# Allegro board BeagleBone-AI.brd (continued)
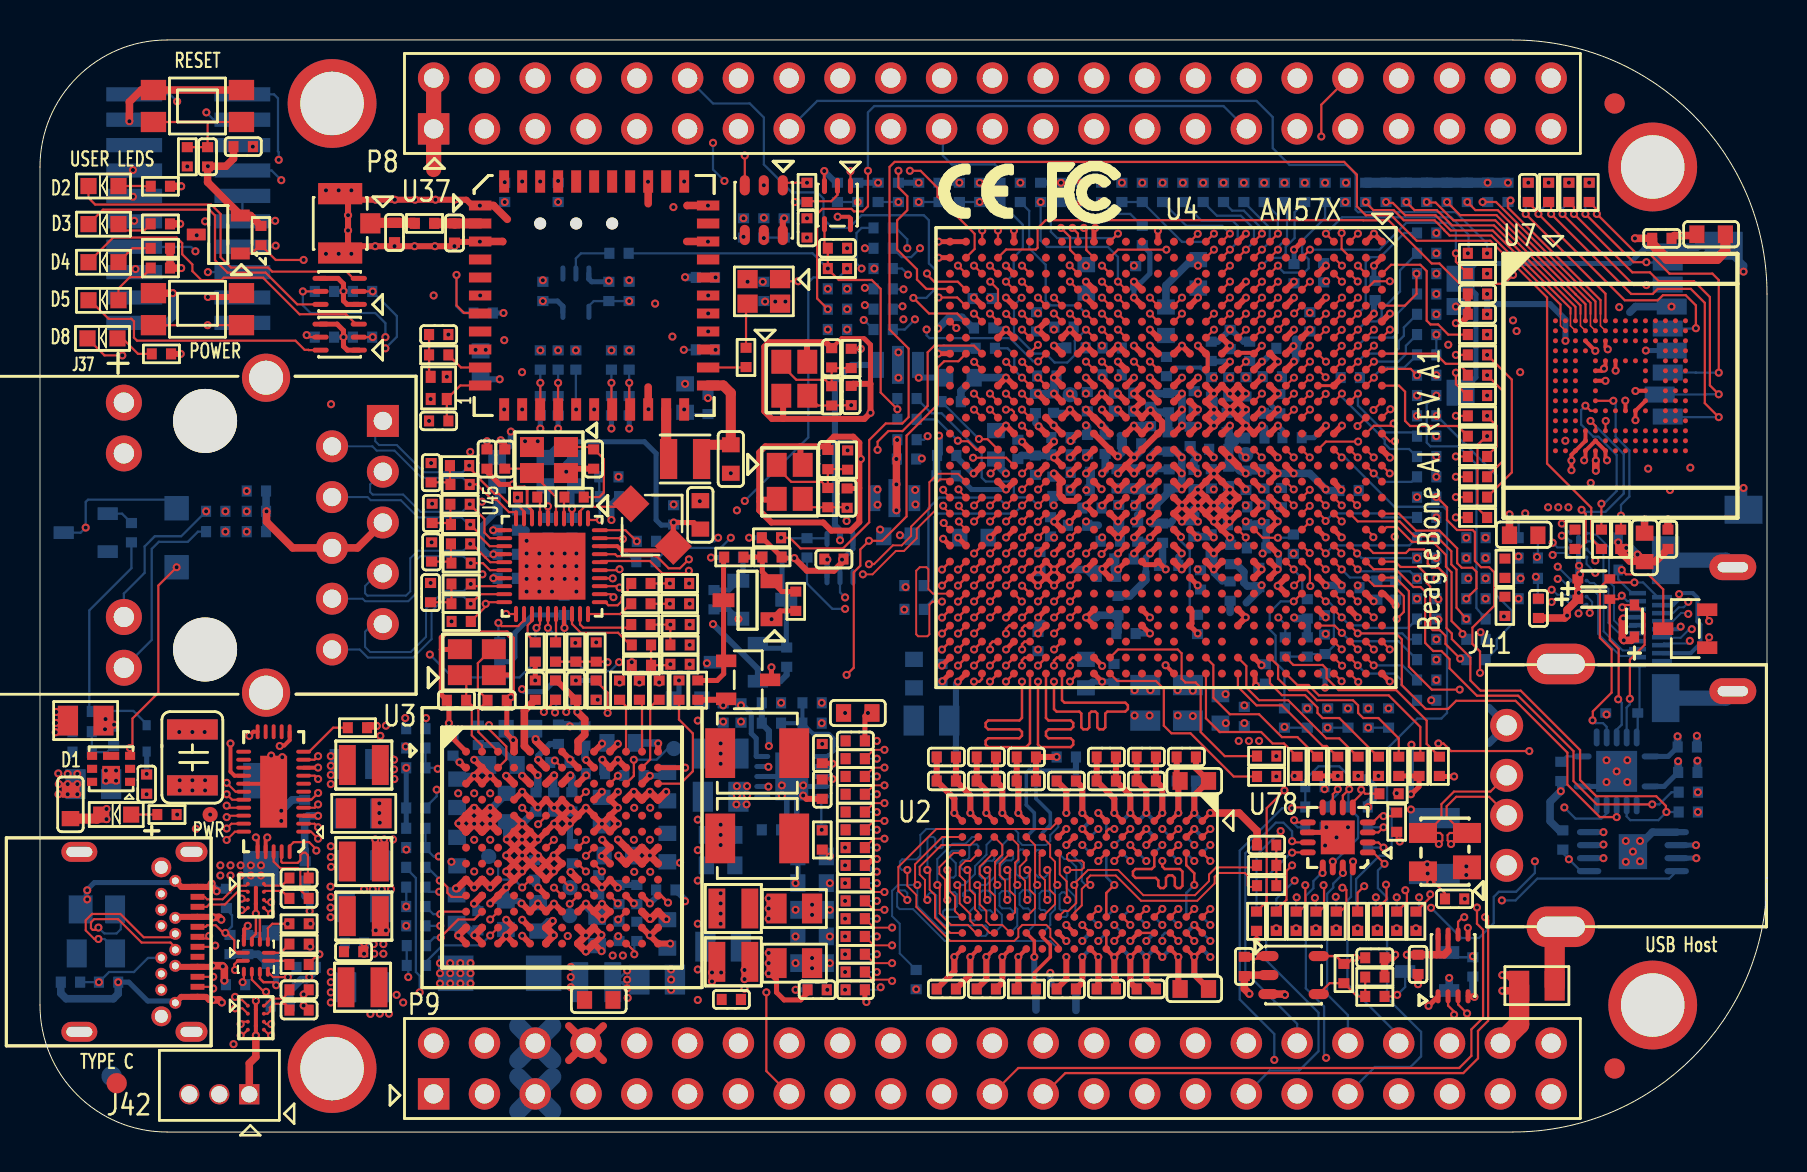
[diagram p0: board, top side]
## Footprints (pads in the part's own frame, mm; a bottom-side part is the same pattern mirrored in y, then rotated) (continued)
C0402
  rect 0.508x0.559 smd: 1(-0.483,0) 2(0.483,0)
C0603
  rect 0.762x0.889 smd: 1(-0.711,0) 2(0.711,0)
C0805
  rect 1.016x1.499 smd: 1(-0.889,0) 2(0.889,0)
C1210
  rect 1.016x2.54 smd: 1(-1.397,0) 2(1.397,0)
CON3B35X60
  rect 1.016x1.016 hole 0.813: 1(-1.5,0.45)
  round 1.016 hole 0.813: 2(0,0.45) 3(1.5,0.45)
D0402
  rect 0.508x0.559 smd: 1(-0.483,0) 2(0.483,0)
D0603
  rect 0.813x0.813 smd: 1(-0.75,0) 2(0.75,0)
D_SMA
  rect 1.778x1.778 smd: 1(-2.2,0) 2(2.2,0)
DFN6_2FN
  rect 0.508x0.406 smd: 1(-0.95,0.65) 2(-0.95,0) 3(-0.95,-0.65) 4(0.95,-0.65) 5(0.95,0) 6(0.95,0.65)
  rect 0.889x0.889 smd: 7(0,0.294)
  rect 0.813x0.406 smd: 8(0,-0.65)
FD40
  round 1.016 smd: 1(0,0)
FL0805
  rect 0.6x1.3 smd: 1(-1,0) 3(1,0)
  rect 0.6x1.9 smd: 2(0,0)
H2X23MZ
  rect 1.575x1.575 hole 0.965: 1(-27.94,-1.27)
  round 1.575 hole 0.965: 2(-27.94,1.27) 3(-25.4,-1.27) 4(-25.4,1.27) 5(-22.86,-1.27) 6(-22.86,1.27) 7(-20.32,-1.27) 8(-20.32,1.27) 9(-17.78,-1.27) 10(-17.78,1.27) 11(-15.24,-1.27) 12(-15.24,1.27) 13(-12.7,-1.27) 14(-12.7,1.27) 15(-10.16,-1.27) 16(-10.16,1.27) 17(-7.62,-1.27) 18(-7.62,1.27) 19(-5.08,-1.27) 20(-5.08,1.27) 21(-2.54,-1.27) 22(-2.54,1.27) 23(0,-1.27) 24(0,1.27) 25(2.54,-1.27) 26(2.54,1.27) 27(5.08,-1.27) 28(5.08,1.27) 29(7.62,-1.27) 30(7.62,1.27) 31(10.16,-1.27) 32(10.16,1.27) 33(12.7,-1.27) 34(12.7,1.27) 35(15.24,-1.27) 36(15.24,1.27) 37(17.78,-1.27) 38(17.78,1.27) 39(20.32,-1.27) 40(20.32,1.27) 41(22.86,-1.27) 42(22.86,1.27) 43(25.4,-1.27) 44(25.4,1.27) 45(27.94,-1.27) 46(27.94,1.27)
HDMIS19_4P4
  rect 0.23x0.85 smd: 1(1.8,4.765) 3(1.4,4.765) 5(1,4.765) 7(0.6,4.765) 9(0.2,4.765) 11(-0.2,4.765) 13(-0.6,4.765) 15(-1,4.765) 17(-1.4,4.765) 19(-1.8,4.765)
  rect 0.23x1 smd: 2(1.6,3.54) 4(1.2,3.54) 6(0.8,3.54) 8(0.4,3.54) 10(0,3.54) 12(-0.4,3.54) 14(-0.8,3.54) 16(-1.2,3.54) 18(-1.6,3.54)
  oval 1.3x2.35 hole 0.508x1.52: 20(3.1,0) 21(-3.1,0)
  rect 2.4x1.38 smd: 22(3.45,3.36) 23(-3.45,3.36)
HEADER10X2_SMD
  rect 0.711x2.794 smd: 1(-5.715,-2.705) 2(-5.715,2.705) 3(-4.445,-2.705) 4(-4.445,2.705) 5(-3.175,-2.705) 6(-3.175,2.705) 7(-1.905,-2.705) 8(-1.905,2.705) 9(-0.635,-2.705) 10(-0.635,2.705) 11(0.635,-2.705) 12(0.635,2.705) 13(1.905,-2.705) 14(1.905,2.705) 15(3.175,-2.705) 16(3.175,2.705) 17(4.445,-2.705) 18(4.445,2.705) 19(5.715,-2.705) 20(5.715,2.705)
INDPW250X200X105N
  rect 0.85x2 smd: 1(-0.825,0) 2(0.825,0)
L25X20
  rect 0.864x2.007 smd: 1(-0.825,0) 2(0.825,0)
L30X30_A
  rect 1.321x1.321 smd rot 135: 1(-1.061,1.061) 2(1.061,-1.061)
L40X40_B
  rect 1.499x2.489 smd: 1(-1.85,0) 2(1.85,0)
L0402
  rect 0.508x0.559 smd: 1(-0.483,0) 2(0.483,0)
L0603
  rect 0.762x0.889 smd: 1(-0.711,0) 2(0.711,0)
MTGH200C125D_PL
  round 4.445 hole 3.175: 1(0,0)
OSCCC250X200X60-4N
  rect 1.2x1 smd: 1(-0.85,-0.65) 2(0.85,-0.65) 3(0.85,0.65) 4(-0.85,0.65)
QFN40_1P4H
  oval 0.813x0.203 smd: 1(-2.394,1.8) 2(-2.394,1.4) 3(-2.394,1) 4(-2.394,0.6) 5(-2.394,0.2) 6(-2.394,-0.2) 7(-2.394,-0.6) 8(-2.394,-1) 9(-2.394,-1.4) 10(-2.394,-1.8) 21(2.394,-1.8) 22(2.394,-1.4) 23(2.394,-1) 24(2.394,-0.6) 25(2.394,-0.2) 26(2.394,0.2) 27(2.394,0.6) 28(2.394,1) 29(2.394,1.4) 30(2.394,1.8)
  oval 0.203x0.813 smd: 11(-1.8,-2.394) 12(-1.4,-2.394) 13(-1,-2.394) 14(-0.6,-2.394) 15(-0.2,-2.394) 16(0.2,-2.394) 17(0.6,-2.394) 18(1,-2.394) 19(1.4,-2.394) 20(1.8,-2.394) 31(1.8,2.394) 32(1.4,2.394) 33(1,2.394) 34(0.6,2.394) 35(0.2,2.394) 36(-0.2,2.394) 37(-0.6,2.394) 38(-1,2.394) 39(-1.4,2.394) 40(-1.8,2.394)
  rect 3.353x3.353 smd: 41(0,0)
QFN40P300X600X80-33N
  oval 0.75x0.2 smd: 1(-1.5,2) 2(-1.5,1.6) 3(-1.5,1.2) 4(-1.5,0.8) 5(-1.5,0.4) 6(-1.5,0) 7(-1.5,-0.4) 8(-1.5,-0.8) 9(-1.5,-1.2) 10(-1.5,-1.6) 11(-1.5,-2) 17(1.5,-2) 18(1.5,-1.6) 19(1.5,-1.2) 20(1.5,-0.8) 21(1.5,-0.4) 22(1.5,0) 23(1.5,0.4) 24(1.5,0.8) 25(1.5,1.2) 26(1.5,1.6) 27(1.5,2)
  oval 0.2x0.75 smd: 12(-0.8,-3) 13(-0.4,-3) 14(0,-3) 15(0.4,-3) 16(0.8,-3) 28(0.8,3) 29(0.4,3) 30(0,3) 31(-0.4,3) 32(-0.8,3)
  rect 1.35x3.6 smd: 33(0,0)
QFN50P300X300X100-17N
  oval 0.8x0.3 smd: 1(-1.5,0.75) 2(-1.5,0.25) 3(-1.5,-0.25) 4(-1.5,-0.75) 9(1.5,-0.75) 10(1.5,-0.25) 11(1.5,0.25) 12(1.5,0.75)
  oval 0.3x0.8 smd: 5(-0.75,-1.5) 6(-0.25,-1.5) 7(0.25,-1.5) 8(0.75,-1.5) 13(0.75,1.5) 14(0.25,1.5) 15(-0.25,1.5) 16(-0.75,1.5)
  rect 1.7x1.7 smd: 17(0,0)
QFN50P350X350X100-15N
  oval 0.9x0.3 smd: 1(-1.7,-0.75) 7(1.7,-0.75) 8(1.7,0.75) 14(-1.7,0.75)
  oval 0.3x0.9 smd: 2(-1,-1.7) 3(-0.5,-1.7) 4(0,-1.7) 5(0.5,-1.7) 6(1,-1.7) 9(1,1.7) 10(0.5,1.7) 11(0,1.7) 12(-0.5,1.7) 13(-1,1.7)
  rect 2.05x2.05 smd: 15(0,0)
R0402
  rect 0.508x0.559 smd: 1(-0.483,0) 2(0.483,0)
R0805
  rect 1.016x1.499 smd: 1(-0.889,0) 2(0.889,0)
RJ45_MTCONN_JTRJ45-4118NLF
  round 3.2 hole 3.2 unplated: (-5.715,0.1) (5.715,0.1)
  rect 1.6x1.6 hole 0.914: 1(-5.715,8.99)
  round 1.6 hole 0.914: 2(-4.445,6.45) 3(-3.175,8.99) 4(-1.905,6.45) 5(-0.635,8.99) 6(0.635,6.45) 7(1.905,8.99) 8(3.175,6.45) 9(4.445,8.99) 10(5.715,6.45)
  round 1.803 hole 1.016: 11(-6.63,-3.96) 12(-4.09,-3.96) 13(4.09,-3.96) 14(6.63,-3.96)
  round 2.413 hole 1.702: 15(-7.875,3.15) 16(7.875,3.15)
SC70_5
  oval 0.813x0.254 smd: 1(-0.956,0.65) 2(-0.956,0) 3(-0.956,-0.65) 4(0.956,-0.65) 5(0.956,0.65)
SD_HSF-COMPLIANT_MCTF-0606
  rect 0.8x1.5 smd: 1(-1.94,3.138) 2(-0.84,2.738) 3(0.26,3.138) 4(1.36,3.338) 5(2.46,3.138) 6(3.56,3.338) 7(4.66,3.138) 8(5.76,3.138)
  rect 0.85x1 smd: 9(3.56,-7.422)
  rect 1.4x1.9 smd: 10(-6.6,6.927) 11(6.6,5.938)
  rect 1.3x1.4 smd: 12(-0.75,-7.222) 13(4.95,-7.222)
SOD123_A
  rect 1.219x1.219 smd: 1(-1.475,0) 2(1.475,0)
SOD523
  rect 0.508x0.406 smd: 1(-0.66,0) 2(0.66,0)
SODFL1608X70N
  rect 0.55x0.47 smd: 1(-0.8,0) 2(0.8,0)
SOP8_1FH
  oval 1.219x0.305 smd: 1(-2.19,0.975) 2(-2.19,0.325) 3(-2.19,-0.325) 4(-2.19,-0.975) 5(2.19,-0.975) 6(2.19,-0.325) 7(2.19,0.325) 8(2.19,0.975)
  rect 1.422x1.753 smd: 9(0,0)
SOT23_5
  oval 1.016x0.508 smd: 1(-1.258,0.95) 2(-1.258,0) 3(-1.258,-0.95) 4(1.258,-0.95) 5(1.258,0.95)
SOT23_6
  oval 1.016x0.508 smd: 1(-1.242,0.95) 2(-1.242,0) 3(-1.242,-0.95) 4(1.242,-0.95) 5(1.242,0) 6(1.242,0.95)
SOT23_123
  rect 0.635x1.016 smd: 1(-0.95,-1.1) 2(0.95,-1.1) 3(0,1.1)
SOT95P240X111-3N
  rect 0.95x0.6 smd: 1(-1.1,0.95) 2(-1.1,-0.95) 3(1.1,0)
SOT95P240X120-3N
  rect 1.1x0.7 smd: 1(-1.2,0.95) 2(-1.2,-0.95) 3(1.2,0)
SOT143_190P240X115-4N
  rect 1.2x1.4 smd: 1(-0.76,-1.1)
  rect 1x1.4 smd: 2(0.96,-1.1) 3(0.96,1.1) 4(-0.96,1.1)
SOT363_6
  oval 0.813x0.254 smd: 1(-0.956,0.65) 2(-0.956,0) 3(-0.956,-0.65) 4(0.956,-0.65) 5(0.956,0) 6(0.956,0.65)
SWS4B46X28
  rect 1.27x1.016 smd: 1(-2.2,-0.8) 2(-2.2,0.8) 3(2.2,-0.8) 4(2.2,0.8)
TP30
  round 0.762 smd: 1(0,0)
unnamed#2
  round 1.016 smd: 1(0,0)
USB_A_SH
  round 1.651 hole 1.016: 1(-3.5,2.71) 2(-1.001,2.71) 3(1.001,2.71) 4(3.5,2.71)
  oval 2.032x3.429 hole 1.016x2.413: 5(-6.571,0) 6(6.571,0)
USB_MTCONN_UBF31-0170
  round 1 hole 0.65: (-3.725,-1.81) (3.725,-1.81)
  oval 1x1.6 hole 0.5x1.1: 1(-4.5,-0.3) 2(4.5,-0.3)
  oval 1x1.8 hole 0.5x1.3: 3(-4.5,-5.91) 4(4.5,-5.91)
  rect 0.3x0.7 smd: A1(-2.75,0) A2(-2.25,0) A3(-1.75,0) A4(-1.25,0) A5(-0.75,0) A6(-0.25,0) A7(0.25,0) A8(0.75,0) A9(1.25,0) A10(1.75,0) A11(2.25,0) A12(2.75,0)
  round 0.6 hole 0.35: B1(3.05,-1.11) B2(2.4,-1.81) B3(1.6,-1.81) B4(1.2,-1.11) B5(0.8,-1.81) B6(0.4,-1.11) B7(-0.4,-1.11) B8(-0.8,-1.81) B9(-1.2,-1.11) B10(-1.6,-1.81) B11(-2.4,-1.81) B12(-3.05,-1.11)
VSON50P300X300X100-11N
  oval 0.8x0.25 smd: 1(-1.475,1) 2(-1.475,0.5) 3(-1.475,0) 4(-1.475,-0.5) 5(-1.475,-1) 6(1.475,-1) 7(1.475,-0.5) 8(1.475,0) 9(1.475,0.5) 10(1.475,1)
  custom 1.65x3.8 smd: 11(0,0)
VSSOP8CR
  oval 0.711x0.254 smd: 1(-1.544,0.75) 2(-1.544,0.25) 3(-1.544,-0.25) 4(-1.544,-0.75) 5(1.544,-0.75) 6(1.544,-0.25) 7(1.544,0.25) 8(1.544,0.75)
WLBT90P1200X1200X160-47N
  round 0.6 hole 0.6 unplated: (-2.7,3.6) (-0.9,3.6) (0.9,3.6)
  rect 1.125x0.5 smd: 1(-5.7,4.5) 2(-5.7,3.6) 3(-5.7,2.7) 4(-5.7,1.8) 5(-5.7,0.9) 6(-5.7,0) 7(-5.7,-0.9) 8(-5.7,-1.8) 9(-5.7,-2.7) 10(-5.7,-3.6) 11(-5.7,-4.5) 23(5.7,-4.5) 24(5.7,-3.6) 25(5.7,-2.7) 26(5.7,-1.8) 27(5.7,-0.9) 28(5.7,0) 29(5.7,0.9) 30(5.7,1.8) 31(5.7,2.7) 32(5.7,3.6) 33(5.7,4.5)
  rect 0.5x1.125 smd: 12(-4.5,-5.7) 13(-3.6,-5.7) 14(-2.7,-5.7) 15(-1.8,-5.7) 16(-0.9,-5.7) 17(0,-5.7) 18(0.9,-5.7) 19(1.8,-5.7) 20(2.7,-5.7) 21(3.6,-5.7) 22(4.5,-5.7) 34(4.5,5.7) 35(3.6,5.7) 36(2.7,5.7) 37(1.8,5.7) 38(0.9,5.7) 39(0,5.7) 40(-0.9,5.7) 41(-1.8,5.7) 42(-2.7,5.7) 43(-3.6,5.7) 44(-4.5,5.7)
WLCSP10C40P3X4_117X157X60N
  round 0.2 smd: A1(-0.4,0.6) A2(-0.4,0.2) A3(-0.4,-0.2) A4(-0.4,-0.6) B1(0,0.4) B2(0,-0.4) C1(0.4,0.6) C2(0.4,0.2) C3(0.4,-0.2) C4(0.4,-0.6)
X2QFN40P160X160X40-12N
  oval 0.7x0.2 smd: 1(-0.65,0.2) 2(-0.65,-0.2) 7(0.65,-0.2) 8(0.65,0.2)
  oval 0.2x0.5 smd: 3(-0.6,-0.75) 4(-0.2,-0.75) 5(0.2,-0.75) 6(0.6,-0.75) 9(0.6,0.75) 10(0.2,0.75) 11(-0.2,0.75) 12(-0.6,0.75)
X4S16X12
  rect 0.61x0.508 smd: 1(-0.555,-0.404) 2(0.555,-0.404) 3(0.555,0.404) 4(-0.555,0.404)
X4S25X20
  rect 1.016x0.914 smd: 1(-0.812,-0.612) 2(0.812,-0.612) 3(0.812,0.612) 4(-0.812,0.612)

## Nets
1V8_PHY_HDMI: C116.1 C149.1 C159.1 FB6.2 U4.AA16(VDDA_PCIE1) U4.AA17(VDDA_PCIE0) U4.W14(VDDA_PCIE) U4.Y17(VDDA_HDMI)
1V8_PHY_LDO3: C121.1 FL1.1 U3.K11(LDO3_OUT)
1V8_PHY_LDO4: C117.1 FB6.1 U3.K12(LDO4_OUT)
1V8_PHY_SATA: C37.1 C163.1 C184.1 FL1.3 U4.AA13(VDDA_USB1) U4.AB12(VDDA_USB2) U4.V13(VDDA_SATA) U4.W12(VDDA_USB3)
1V8_PLL: C123.1 C157.1 FL2.1 U3.B5(LDOLN_OUT) U4.AD16(VDDA_OSC#AD16) U4.AE16(VDDA_OSC#AE16)
1V8_PLLA: C189.1 C199.1 C202.1 C207.1 C216.1 FL2.3 U4.M14(VDDA_ABE_PER) U4.N11(VDDA_DEBUG) U4.N12(VDDA_DSP_EVE) U4.N16(VDDA_MPU) U4.P14(VDDA_VIDEO) U4.P15(VDDA_GMAC_CORE) U4.P16(VDDA_DDR) U4.R14(VDDA_GPU) U4.R17(VDDA_IVA)
1V8_RTC: C38.1 R27.1 R150.1 R155.1 R157.2 U3.A8(LDOVRTC_OUT)
3V3_AVDD_MII0: C346.1 C347.1 FB2.2 U45.14(AVDD33)
3V3_SD: C151.1 C492.1 Q1.2(E) R8.1 R9.1 R418.1 R419.1 R420.1 R421.1 R422.1 R423.1 R424.1 U3.C6(LDO1_OUT) U4.W8(VDDSHV8#W8) U4.Y8(VDDSHV8#Y8)
3V3_USB: C134.1 C148.1 U3.B9(LDOUSB_OUT) U4.AA12(VDDA33V_USB1) U4.Y12(VDDA33V_USB2)
GND: C1.2 C2.2 C3.2 C4.2 C5.2 C6.2 C7.2 C8.2 C9.2 C10.2 C11.2 C12.2 C17.2 C18.2 C19.2 C20.2 C22.2 C23.2 C24.2 C25.2 C26.2 C35.2 C36.2 C37.2 C38.2 C39.2 C40.2 C41.2 C42.2 C43.2 C51.1 C52.1 C58.2 C68.2 C69.2 C79.2 C80.2 C81.1 C87.1 C88.2 C89.2 C90.2 C91.2 C92.2 C93.2 C94.2 C95.2 C96.2 C97.2 C98.2 C100.2 C101.2 C102.2 C103.2 C104.2 C105.2 C106.2 C107.2 C108.2 C109.2 C110.2 C111.2 C112.2 C113.2 C114.2 C115.2 C116.2 C117.2 C118.2 C119.2 C120.2 C121.2 C122.2 C123.2 C124.2 C125.2 C126.2 C127.2 C128.2 C130.2 C131.2 C132.2 C133.2 C134.2 C136.2 C138.2 C139.2 C140.2 C141.2 C144.2 C145.2 C146.2 C147.1 C148.2 C149.2 C151.2 C152.2 C153.2 C154.2 C155.2 C156.2 C157.2 C158.2 C159.2 C161.2 C162.2 C163.2 C164.2 C165.2 C166.2 C168.2 C169.2 C170.2 C171.2 C172.1 C174.2 C175.2 C176.2 C177.2 C178.2 C179.2 C180.2 C181.2 C182.2 C183.2 C184.2 C185.2 C186.2 C187.2 C188.2 C189.2 C190.2 C192.2 C193.2 C194.2 C195.2 C196.2 C197.2 C198.2 C199.2 C200.2 C201.2 C202.2 C203.2 C204.2 C205.2 C206.2 C207.2 C208.2 C209.2 C210.2 C211.2 C212.2 C213.2 C214.2 C215.2 C216.2 C217.2 C218.2 C220.2 C221.2 C222.2 C223.2 C224.2 C226.2 C227.2 C230.2 C231.2 C232.2 C233.2 C234.2 C235.2 C236.2 C237.2 C238.2 C242.2 C245.2 C254.2 C255.2 C256.2 C257.2 C258.2 C259.2 C260.2 C261.2 C262.2 C263.2 C264.2 C265.2 C266.2 C267.2 C268.2 C269.2 C270.2 C271.2 C272.2 C273.2 C274.2 C275.2 C276.2 C277.2 C278.2 C279.2 C281.2 C282.2 C283.1 C285.2 C286.2 C291.2 C292.2 C293.2 C294.2 C295.2 C296.2 C297.2 C298.2 C299.2 C300.2 C320.2 C321.2 C325.1 C326.2 C327.1 C334.2 C335.2 C336.2 C337.2 C338.2 C339.2 C340.2 C341.2 C342.2 C343.2 C344.2 C345.2 C346.2 C347.2 C348.2 C349.2 C350.2 C351.2 C352.2 C353.1 C439.2 C440.2 C441.2 C442.2 C456.2 C461.2 C462.2 C463.2 C464.2 C466.2 C472.2 C473.2 C480.2 C481.2 C482.2 C483.2 C488.2 C489.2 C490.2 C491.2 C492.2 C494.2 C495.2 C496.2 C497.2 C498.2 D1.2(C) D21.1 D22.1 D23.1 D24.1 D25.1 D46.1 D47.1 D76.1(A) D78.1(GND) D79.1(GND) FL1.2 FL2.2 J33.2(NC) J33.3(GND3) J41.4(P4) J42.A1(GND0) J42.A12(GND1) J42.B1(GND2) J42.B12(GND3) J90.6(VSS) J91.4(DAT2_S) J91.7(DAT1_S) J91.10(DAT0_S) J91.13(CLK_S) J91.16(DDC/CEC GND) J92.1 OSC1.2(GND) P2.4(TDIS) P2.8(GND1) P2.10(GND2) P2.12(GND3) P2.16(GND4) P2.20(GND5) P8.1 P8.2 P9.1 P9.2 P9.34 P9.43 P9.44 P9.45 P9.46 Q17.2(S) Q18.2(S) R1.2 R7.1 R10.1 R18.1 R19.1 R20.1 R22.2 R58.2 R88.2 R98.2 R99.2 R100.2 R101.2 R102.2 R103.1 R104.1 R107.1 R112.2 R113.1 R119.2 R121.1 R139.2 R147.1 R151.1 R182.1 R183.2 R189.2 R201.2 R387.2 R389.2 R390.2 R392.2 R413.1 R465.2 R467.2 R487.2 R488.1 R489.1 R490.1 R493.2 R533.2 R534.2 R537.2 R554.2 R571.2 R572.1 R596.2 R597.2 R598.2 R599.2 R600.2 R601.2 R602.2 R603.2 R604.2 R605.2 R606.2 R640.1 R657.2 R659.1 R661.2 R670.2 R676.2 R677.2 R678.2 R679.2 R690.2 R691.2 R699.2 R700.2 S1.1 S1.3 S3.1 S3.3 T1.1(S1) T1.4(S1) T2.1(S1) T2.4(S1) U1.4(PGND) U1.8(GND) U1.11(PWRPD) U2.A9(VSS1) U2.B1(VSSQ1) U2.B3(VSS2) U2.B9(VSSQ2) U2.D1(VSSQ3) U2.D8(VSSQ4) U2.E1(VSS3) U2.E2(VSSQ5) U2.E8(VSSQ6) U2.F9(VSSQ7) U2.G1(VSSQ8) U2.G8(VSS4) U2.G9(VSSQ9) U2.J2(VSS5) U2.J8(VSS6) U2.M1(VSS7) U2.M9(VSS8) U2.P1(VSS9) U2.P9(VSS10) U2.T1(VSS11) U2.T9(VSS12) U3.A1(PKG_GND_A1) U3.A4(REFGND1) U3.A7(GNDANA#A7) U3.A13(PKG_GND#A13) U3.B2(GPADC_IN0) U3.B8(SYNCDCDC) U3.B10(PKG_GND#B10) U3.B11(PKG_GND#B11) U3.C1(OSC16MCAP) U3.C2(GPADC_IN1) U3.C3(GPADC_IN2) U3.C12(SMPS12_FBK_GND) U3.D4(SMPS7_GND#D4) U3.D5(SMPS7_GND#D5) U3.D6(PKG_GND#D6) U3.D7(PKG_GND#D7) U3.D10(SMPS1_GND#D10) U3.E4(SMPS7_GND#E4) U3.E7(GNDANA#E7) U3.E8(PKG_GND#E8) U3.E9(SMPS1_GND#E9) U3.E10(SMPS1_GND#E10) U3.F4(SMPS4_GND#F4) U3.F5(GNDANA#F5) U3.F6(PKG_GND#F6) U3.F7(PKG_GND#F7) U3.F9(SMPS2_GND#F9) U3.F10(SMPS2_GND#F10) U3.G4(SMPS4_GND#G4) U3.G5(SMPS4_GND#G5) U3.G7(PKG_GND#G7) U3.G10(SMPS2_GND#G10) U3.H4(SMPS5_GND#H4) U3.H5(SMPS5_GND#H5) U3.H6(PKG_GND#H6) U3.H7(PKG_GND#H7) U3.H10(SMPS3_GND#H10) U3.J4(SMPS5_GND#J4) U3.J6(PKG_GND#J6) U3.J9(SMPS3_GND#J9) U3.J10(SMPS3_GND#J10) U3.K3(SMPS45_FDBK_GND) U3.L5(SMPS6_GND#L5) U3.L6(SMPS6_GND#L6) U3.L7(SMPS9_GND#L7) U3.L8(SMPS9_GND#L8) U3.L9(SMPS8_GND#L9) U3.L10(SMPS8_GND#L10) U3.M1(PKG_GND#M1) U3.M2(PKG_GND#M2) U3.M12(GNDDIG) U3.M13(GNDANA#M13) U3.N1(PKG_GND#N1) U3.N2(VIO_GND) U3.N13(PKG_GND#N13) U4.A1(VSS#A1) U4.A2(VSS#A2) U4.A6(VSS#A6) U4.A14(VSS#A14) U4.A23(VSS#A23) U4.A28(VSS#A28) U4.AA8(VSS#AA8) U4.AA9(VSS#AA9) U4.AA10(VSS#AA10) U4.AA11(VSSA_USB#AA11) U4.AA14(VSS#AA14) U4.AA15(VSS#AA15) U4.AA20(VSS#AA20) U4.AB11(VSSA_USB#AB11) U4.AB14(VSS#AB14) U4.AB20(VSS#AB20) U4.AD1(VSS#AD1) U4.AD10(VSSA_USB3) U4.AD13(VSSA_PCIE#AD13) U4.AD19(VSSA_HDMI#AD19) U4.AD24(VSS#AD24) U4.AE10(VSSA_SATA) U4.AE13(VSSA_PCIE#AE13) U4.AE19(VSSA_HDMI#AE19) U4.AG1(VSS#AG1) U4.AH1(VSS#AH1) U4.AH2(VSS#AH2) U4.AH8(VSS#AH8) U4.AH20(VSS#AH20) U4.AH28(VSS#AH28) U4.B1(VSS#B1) U4.D13(VSS#D13) U4.D19(VSS#D19) U4.E13(VSS#E13) U4.E19(VSS#E19) U4.F1(VSS#F1) U4.F7(VSS#F7) U4.G7(VSS#G7) U4.G8(VSS#G8) U4.G9(VSS#G9) U4.H12(VSS#H12) U4.J12(VSS#J12) U4.J15(VSS#J15) U4.J28(VSS#J28) U4.K1(VSS#K1) U4.K4(VSS#K4) U4.K5(VSS#K5) U4.K15(VSS#K15) U4.K24(VSS#K24) U4.K25(VSS#K25) U4.L13(VSS#L13) U4.L14(VSS#L14) U4.M19(VSS#M19) U4.N14(VSS#N14) U4.N15(VSS#N15) U4.N19(VSS#N19) U4.N24(VSS#N24) U4.N25(VSS#N25) U4.P28(VSS#P28) U4.R1(VSS#R1) U4.R12(VSS#R12) U4.R13(VSS#R13) U4.R15(VSS#R15) U4.R21(VSS#R21) U4.T10(VSS#T10) U4.T11(VSS#T11) U4.T12(VSS#T12) U4.T14(VSS#T14) U4.T15(VSS#T15) U4.T17(VSS#T17) U4.T18(VSS#T18) U4.T21(VSS#T21) U4.U14(VSSA_VIDEO) U4.U15(VSS#U15) U4.U17(VSS#U17) U4.U20(VSS#U20) U4.U21(VSS#U21) U4.V15(VSS#V15) U4.V17(VSS#V17) U4.W1(VSS#W1) U4.W15(VSS#W15) U4.W24(VSS#W24) U4.W25(VSS#W25) U4.W28(VSS#W28) U6.3(GND) U7.C4(VSSQ4) U7.E7(VSS2) U7.G5(VSS1) U7.H10(VSS3) U7.K8(VSS4) U7.N2(VSSQ1) U7.N5(VSS5) U7.P4(VSSQ3) U7.P6(VSSQ2) U8.3(GND) U10.2(GND) U11.A9(VSS1) U11.B1(VSSQ1) U11.B3(VSS2) U11.B9(VSSQ2) U11.D1(VSSQ3) U11.D8(VSSQ4) U11.E1(VSS3) U11.E2(VSSQ5) U11.E8(VSSQ6) U11.F9(VSSQ7) U11.G1(VSSQ8) U11.G8(VSS4) U11.G9(VSSQ9) U11.J2(VSS5) U11.J8(VSS6) U11.M1(VSS7) U11.M9(VSS8) U11.P1(VSS9) U11.P9(VSS10) U11.T1(VSS11) U11.T9(VSS12) U12.7(GND) U12.15(TP) U22.5(ADDR) U22.10(GND) U22.11(EN_N) U37.1(GND1) U37.3(GND2) U37.20(GND3) U37.31(GND4) U37.33(GND5) U37.36(GND6) U40.2(GND) U45.41(GND_PAD) U46.1(1\O\E\) U46.4(GND) U48.1(GND) U48.9(PAD) U72.21(GND1) U72.28(GND2) U72.33(GNDPAD) U78.10(GND) U78.17(GND_PAD) U88.B1(GND_CH1) U88.B2(GND_CH2) U89.B1(GND_CH1) U89.B2(GND_CH2) U90.3(GND) U91.B1(GND_CH1) U91.B2(GND_CH2) U92.B1(GND_CH1) U92.B2(GND_CH2) X4.2 X4.4 X6.2 X6.4 X9.2 X9.4
GND_EARTH: J37.15(GND#15) J37.16(GND#16) J41.5(SHELD1) J41.6(PAD4) J42.1(PGND0) J42.2(PGND1) J42.3(PGND2) J42.4(PGND3) J90.10(GND) J90.11(GND1) J90.12(GND2) J90.13(GND3) J91.20(MTG1) J91.21(MTG2) J91.22(MTG3) J91.23(MTG4) MH1.1 MH2.1 MH3.1 MH4.1 R640.2 R699.1
GND_OSC0: C13.2 C14.2 R7.2 U4.AF15(VSSA_OSC0) X7.2 X7.4
GND_OSC1: C15.2 C16.2 R10.2 U4.AC14(VSSA_OSC1) X8.2 X8.4
VDD_1V8: C136.1 C146.1 C152.1 C154.1 C165.1 C174.1 C198.1 C201.1 C210.1 C235.1 C299.1 D6.1(A) D7.1(A) Q1.3(C) Q4.3(C) R17.2 R91.2 R702.1 U3.B6(LDO2_OUT) U4.AA7(VDDS_MLBP#AA7) U4.AA18(VDDS18V_DDR1#AA18) U4.AA19(VDDS18V_DDR1#AA19) U4.AB13(VDDA_RTC) U4.G18(VDDS18V#G18) U4.H17(VDDS18V#H17) U4.J21(VDDS18V_DDR2#J21) U4.J22(VDDS18V_DDR2#J22) U4.M8(VDDS18V#M8) U4.M9(VDDS18V#M9) U4.N8(VDDS18V#N8) U4.N21(VDDS18V_DDR2#N21) U4.P8(VDDS18V#P8) U4.P20(VDDS18V_DDR2#P20) U4.P21(VDDS18V_DDR2#P21) U4.R8(VDDS18V#R8) U4.T8(VDDS18V#T8) U4.V21(VDDS18V#V21) U4.V22(VDDS18V#V22) U4.W17(VDDS18V#W17) U4.W18(VDDS18V#W18) U4.W21(VDDS18V_DDR1#W21) U4.Y7(VDDS_MLBP#Y7) U4.Y21(VDDS18V_DDR1#Y21)
VDD_3V3: C2.1 C79.1 C88.1 C122.1 C125.1 C130.1 C145.1 C155.1 C161.1 C186.1 C192.1 C208.1 C245.1 C259.1 C261.1 C269.1 C270.1 C271.1 C272.1 C278.1 C286.1 C300.1 C325.2 C344.1 C345.1 C353.2 C439.1 C440.1 C461.1 C472.1 C491.1 C494.1 C498.1 FB2.1 FB5.1 J90.4(VDD) L22.2 OSC1.4(VDD) P2.5(TVDD) P9.3 P9.4 Q4.2(E) R3.2 R4.2 R24.2 R38.1 R44.1 R54.1 R74.1 R82.1 R85.1 R87.1 R124.2 R134.2 R156.1 R162.1 R164.1 R168.1 R169.2 R173.1 R174.2 R180.1 R192.1 R193.2 R194.2 R338.1 R409.1 R455.1 R475.2 R481.2 R484.2 R485.2 R486.2 R491.2 R516.2 R530.1 R531.1 R541.2 R545.2 R546.1 R560.1 R561.1 R562.1 R563.1 R564.1 R565.1 R588.2 R590.2 R591.2 R592.2 R593.2 R594.2 R611.2 R689.1 R692.1 R693.1 R701.2 R703.1 R704.1 R705.1 U1.10(VIN) U3.D9(VIO_IN) U3.J8(SMPS9_FBK) U4.AB6(VDDSHV7#AB6) U4.AB7(VDDSHV7#AB7) U4.AD5(VDDSHV6#AD5) U4.AD7(VDDSHV6#AD7) U4.AE7(VDDSHV6#AE7) U4.AF5(VDDSHV6#AF5) U4.B6(VDDSHV2#B6) U4.B23(VDDSHV3#B23) U4.C24(VDDSHV4) U4.D10(VDDSHV2#D10) U4.D16(VDDSHV3#D16) U4.D22(VDDSHV3#D22) U4.E3(VDDSHV1#E3) U4.E5(VDDSHV1#E5) U4.E10(VDDSHV2#E10) U4.E16(VDDSHV3#E16) U4.E22(VDDSHV3#E22) U4.G4(VDDSHV1#G4) U4.G5(VDDSHV1#G5) U4.G15(VDDSHV3#G15) U4.H8(VDDSHV1#H8) U4.H9(VDDSHV1#H9) U4.H10(VDDSHV2#H10) U4.H11(VDDSHV2#H11) U4.H15(VDDSHV3#H15) U4.H16(VDDSHV3#H16) U4.H18(VDDSHV3#H18) U4.H19(VDDSHV3#H19) U4.N4(VDDSHV10#N4) U4.N5(VDDSHV10#N5) U4.P10(VDDSHV10#P10) U4.R7(VDDSHV10#R7) U4.R10(VDDSHV10#R10) U4.T4(VDDSHV10#T4) U4.T5(VDDSHV10#T5) U4.U10(VDDSHV9#U10) U4.V12(VDDSHV5) U4.W4(VDDSHV9#W4) U4.W5(VDDSHV9#W5) U6.5(VCC) U7.E6(VCC3) U7.F5(VCC2) U7.J10(VCC0) U7.K9(VCC1) U8.5(VCC) U10.6(VDD) U12.1(VCCA) U37.9(VBAT) U40.3(EN) U45.3(VDD33) U46.7(2OE) U46.8(VCC) U72.3(VDD1) U72.9(VDD2) U72.12(VDD3) U72.16(VDD4) U72.20(VDD5) U72.29(VDD6) U90.5(VCC)
VDD_5V: C113.1 C114.1 C115.1 C126.1 C127.1 C128.1 C132.1 C139.1 C156.1 C164.1 C169.1 C170.1 C172.2 C194.1 C195.1 C196.1 C441.1 C442.1 C489.1 C497.1 D81.2(C) D82.2(C) P9.7 P9.8 R108.1 R130.1 U3.A6(LDO12_IN) U3.A9(LDOUSB_IN2) U3.A10(LDO7_LDOUSB_IN) U3.C4(LDO9_IN) U3.C5(LDOLN_IN) U3.C7(VCC1) U3.D11(SMPS1_IN_1) U3.D12(SMPS1_IN_2) U3.D13(SMPS1_IN_3) U3.E1(SMPS7_IN_B1_1) U3.E2(SMPS7_IN_B1_2) U3.E3(SMPS7_IN_B1_3) U3.F1(SMPS4_IN1) U3.F2(SMPS4_IN2) U3.F3(SMPS4_IN3) U3.G11(SMPS2_IN_1) U3.G12(SMPS2_IN_2) U3.G13(SMPS2_IN_3) U3.H11(SMPS3_IN1) U3.H12(SMPS3_IN2) U3.H13(SMPS3_IN3) U3.J1(SMPS5_IN1) U3.J2(SMPS5_IN2) U3.J3(SMPS5_IN3) U3.L12(LDO34_IN) U3.L13(LDO34_IN1) U3.M4(LDO58_IN#M4) U3.M6(SMPS6_IN#M6) U3.M8(SMPS9_IN#M8) U3.M9(SMPS8_IN#M9) U3.N3(LDO6_IN) U3.N4(LDO58_IN#N4) U3.N6(SMPS6_IN#N6) U3.N8(SMPS9_IN#N8) U3.N9(SMPS8_IN#N9) U12.14(VCCB) U22.12(VDD) U40.1(VIN) U48.2(IN1) U48.3(IN2)
VDD_ADC: C490.1 P9.32 R656.2 U40.5(VOUT)
VDD_ADC_SEL: Q17.1(G) R659.2 U4.AD3(VIN1A_D23)
VDD_CAPE_5V: D82.1(A) P9.5 P9.6 Q19.1
VDD_CORE: C138.1 C176.1 C178.1 C185.1 C187.1 C190.1 C193.1 C200.1 C203.1 C218.1 C236.1 C242.1 C258.1 C266.1 C297.1 L20.2 U3.B1(SMPS7_FDBK) U4.AB15(VDD_RTC) U4.H13(VDD#H13) U4.H14(VDD#H14) U4.J17(VDD#J17) U4.J18(VDD#J18) U4.L7(VDD#L7) U4.L8(VDD#L8) U4.N10(VDD#N10) U4.N13(VDD#N13) U4.P11(VDD#P11) U4.P12(VDD#P12) U4.P13(VDD#P13) U4.R11(VDD#R11) U4.R16(VDD#R16) U4.R19(VDD#R19) U4.T13(VDD#T13) U4.T16(VDD#T16) U4.T19(VDD#T19) U4.U8(VDD#U8) U4.U9(VDD#U9) U4.U13(VDD#U13) U4.U16(VDD#U16) U4.V8(VDD#V8) U4.V16(VDD#V16)
VDD_DDR: C4.1 C5.1 C9.1 C10.1 C11.1 C12.1 C17.1 C18.1 C19.1 C22.1 C23.1 C24.1 C25.1 C26.1 C36.1 C39.1 C40.1 C49.2 C58.1 C60.2 C61.2 C89.1 C94.1 C95.1 C97.1 C99.1 C100.1 C101.1 C102.1 C103.1 C104.1 C118.1 C119.1 C120.1 C124.1 C131.1 C140.1 C141.1 C143.1 C162.1 C166.1 C180.1 C211.1 C213.1 C224.1 C225.2 C227.1 C230.1 C231.1 C237.1 C262.1 C295.1 C462.1 L16.2 R2.2 R671.1 R672.1 R673.1 R674.1 R675.1 U1.2(VLDOIN) U2.A1(VDDQ1) U2.A8(VDDQ2) U2.B2(VDD1) U2.C1(VDDQ3) U2.C9(VDDQ4) U2.D2(VDDQ5) U2.D9(VDD9) U2.E9(VDDQ7) U2.F1(VDDQ8) U2.G7(VDD2) U2.H2(VDDQ9) U2.H9(VDDQ10) U2.K2(VDD4) U2.K8(VDD5) U2.N1(VDD6) U2.N9(VDD7) U2.R1(VDD8) U2.R9(VDD3) U3.K13(SMPS3_FDBK) U4.AA21(VDDS_DDR1#AA21) U4.AA22(VDDS_DDR1#AA22) U4.AB21(VDDS_DDR1#AB21) U4.AB22(VDDS_DDR1#AB22) U4.AB24(VDDS_DDR1#AB24) U4.AB25(VDDS_DDR1#AB25) U4.AC22(VDDS_DDR1#AC22) U4.AD26(VDDS_DDR1#AD26) U4.AG20(VDDS_DDR1#AG20) U4.AG28(VDDS_DDR1#AG28) U4.AH27(VDDS_DDR1#AH27) U4.E24(VDDS_DDR2#E24) U4.G22(VDDS_DDR2#G22) U4.G23(VDDS_DDR2#G23) U4.H20(VDDS_DDR2#H20) U4.H21(VDDS_DDR2#H21) U4.H22(VDDS_DDR2#H22) U4.J27(VDDS_DDR2#J27) U4.L20(VDDS_DDR2#L20) U4.L21(VDDS_DDR2#L21) U4.M20(VDDS_DDR2#M20) U4.M21(VDDS_DDR2#M21) U4.T24(VDDS_DDR2#T24) U4.T25(VDDS_DDR2#T25) U4.W16(VDDS_DDR1#W16) U4.W27(VDDS_DDR1#W27) U11.A1(VDDQ1) U11.A8(VDDQ2) U11.B2(VDD1) U11.C1(VDDQ3) U11.C9(VDDQ4) U11.D2(VDDQ5) U11.D9(VDD9) U11.E9(VDDQ7) U11.F1(VDDQ8) U11.G7(VDD2) U11.H2(VDDQ9) U11.H9(VDDQ10) U11.K2(VDD4) U11.K8(VDD5) U11.N1(VDD6) U11.N9(VDD7) U11.R1(VDD8) U11.R9(VDD3)
VDD_DIMM: C281.1 C283.2 U7.C2(VCCI)
VDD_DSPEVE: C215.1 C217.1 C220.1 C232.1 C233.1 C234.1 C256.1 C257.1 C263.1 C265.1 C298.1 L17.2 L18.2 U3.K2(SMPS45_FDBK) U4.J13(VDD_DSPEVE#J13) U4.K10(VDD_DSPEVE#K10) U4.K11(VDD_DSPEVE#K11) U4.K12(VDD_DSPEVE#K12) U4.K13(VDD_DSPEVE#K13) U4.L10(VDD_DSPEVE#L10) U4.L11(VDD_DSPEVE#L11) U4.L12(VDD_DSPEVE#L12) U4.M10(VDD_DSPEVE#M10) U4.M11(VDD_DSPEVE#M11) U4.M12(VDD_DSPEVE#M12) U4.M13(VDD_DSPEVE#M13)
VDD_EMMC: C282.1 C285.1 C496.1 R175.1 R176.1 R177.1 R178.1 R179.1 R184.1 R185.1 R186.1 R188.1 R702.2 R703.2 U4.J8(VDDSHV11#J8) U4.K8(VDDSHV11#K8) U7.C6(VCCQ4) U7.M4(VCCQ5) U7.N4(VCCQ3) U7.P3(VCCQ1) U7.P5(VCCQ2)
VDD_GPU: C171.1 C177.1 C182.1 C183.1 C238.1 C255.1 C264.1 L19.2 U3.K6(SMPS6_FBK) U4.U11(VDD_GPU#U11) U4.U12(VDD_GPU#U12) U4.V10(VDD_GPU#V10) U4.V11(VDD_GPU#V11) U4.V14(VDD_GPU#V14) U4.W10(VDD_GPU#W10) U4.W11(VDD_GPU#W11) U4.W13(VDD_GPU#W13)
VDD_IVA: C93.1 C110.1 C175.1 C181.1 C296.1 L21.2 U3.L11(SMPS8_FDBK) U4.U18(VDD_IVA#U18) U4.U19(VDD_IVA#U19) U4.V18(VDD_IVA#V18) U4.V19(VDD_IVA#V19)
VDD_MPU: C96.1 C105.1 C111.1 C112.1 C168.1 C188.1 C197.1 C205.1 C206.1 C212.1 C221.1 C222.1 C223.1 C293.1 C294.1 L1.2 L2.2 U3.B13(SMPS12_FBK) U4.K17(VDD_MPU#K17) U4.K18(VDD_MPU#K18) U4.L15(VDD_MPU#L15) U4.L16(VDD_MPU#L16) U4.L17(VDD_MPU#L17) U4.L18(VDD_MPU#L18) U4.L19(VDD_MPU#L19) U4.M15(VDD_MPU#M15) U4.M16(VDD_MPU#M16) U4.M17(VDD_MPU#M17) U4.M18(VDD_MPU#M18) U4.N17(VDD_MPU#N17) U4.N18(VDD_MPU#N18) U4.P17(VDD_MPU#P17) U4.P18(VDD_MPU#P18) U4.R18(VDD_MPU#R18)
VDD_RTC: C43.1 U3.A5(LDO9_OUT)